# KiCad board Rogelio Pineda part 5.x2-AMLDC-2044B.kicad_pcb (continued)
## Routing (per net, layer and track width the routed paths; a pad name or vN(x,y) marks a point on that pad's centre or on a via; arc(x,y) is an arc through that point) (continued)
F3p1: length 107.5
  Top w0.15: v1(223.82,324.1) 224.06,298.35 v1(223.86,292.54)
  Bottom w0.15: 292.95,290.49 292.85,290.54 291.91,290.62 290.65,291.06 289.91,291.26 288.17,292.49 287.23,292.88 286.81,292.93 285.94,293.07 283.78,292.87 283.07,292.5 280.75,292.02 279.84,291.75 269.88,291.93 269.83,291.88 263.61,291.73 262.97,291.73 260.15,291.95 258.15,292.94 256.66,293.78 255.11,294.45 253.03,294.65 252,294.63 250.85,294.62 247.2,294.4 245.3,294.31 242.83,294.14 241.54,294.16 241.01,294.12 236.57,294.12 236.56,294.13 229.85,293.97 228.76,293.88 227.57,293.69 226.43,293.39 225.47,293.15 225.41,293.15 224.55,292.75 v1(223.86,292.54) ; UF3.1 225.44,324.22 224.5,324.2 223.95,324.1 v1(223.82,324.1)
F3p10: length 57.8
  Top w0.25: UF3.7 UF3.10
  Bottom w0.15: UF3.10 245.54,330.07 247.09,329.63 249.49,329.38 251.67,328.89 253.55,328.13 255.71,327.45 258.4,326.83 260.94,326.65 261.97,326.61 262.83,326.59 264.49,326.62 265.41,326.52 266.52,326.47 269.14,326.31 275.11,325.54 284.95,325.35 287.73,325.55 289.04,325.72 290.3,325.84 291.92,326 292.31,326.03 293.05,326.11
F4p1: length 42.6
  Top w0.15: v1(262.7,310.09) 262.89,310.71 262.98,313.37 262.58,314.96 262.17,316.48 261.98,317.25 261.81,319.01 261.79,319.64 UF4.1
  Bottom w0.15: 293.04,314.75 291.08,314.1 289.88,313.66 288.91,313.34 287.65,312.79 285.37,311.85 282.79,310.92 281.68,310.66 278.22,310.66 277.66,310.64 276.21,310.67 266.21,310.49 264.06,310.38 263.19,310.17 v1(262.7,310.09)
F4p3: length 54.5
  Top w0.15: UF4.3 266.81,320.57 267.68,319.55 268.02,319.18 268.61,318.69 269.21,318.2 270.65,317.38 271.62,316.78 271.97,316.43 272.11,315.9 272.1,314.48 271.69,314.07 UG4.12 271.15,311.16 270.34,310.32 267.85,309.22 267.36,308.88 265.82,307.94 265.35,307.44 264.78,306.88 264.07,305.68 UG4.2
  Bottom w0.15: 293,312.23 290.77,312.25 290.44,312.16 288.88,311.86 286.92,311.18 283.9,310.17 281.4,309.51 272.08,309.48 267.91,309.38 265.94,308.19 265.45,307.57 264.82,306.51 UG4.2
F4p11: length 26.4
  Top w0.15: UG4.4 269.59,306.35 270.1,307.06 270.28,307.29 270.83,308.24 271.34,309.03 272.11,309.88 272.87,311.19 272.94,313.52 272.97,313.92 273.05,317.14 273.03,318.5 272.99,322.47 272.95,323.05 272.42,324.49 271.43,326.18 270.21,327.94 269.35,328.44 UF4.11
F5p9: length 12
  Top w0.15: UF5.9 311.31,329.85 311.13,330.85 310.96,332.05 310.6,332.9 310.34,334.44 310.29,334.84 309.43,337.96 309.07,339.42 UE5.5
F5p11: length 8.1
  Top w0.15: UF5.11 305.93,327.55 305.65,326.83 305.54,326.61 305.1,325.6 304.75,324.8 304.3,323.75 303.85,322.51 303.83,322.12 UF5.3
F5p13: length 42
  Top w0.15: UH5.9 311.29,296.04 311.18,296.83 310.89,297.5 310.66,298.31 310.4,299.59 310.28,300.6 310.16,304.72 310.17,310.83 310.01,313.87 310.01,314.23 309.39,314.98 308.28,315.43 306.78,316 305.72,316.25 304.61,316.49 303.67,316.57 302.89,316.76 301.45,317.46 300.57,318.19 300.31,318.51 299.53,319.4 299.12,320.23 UF5.1 299.07,322.39 299.29,322.98 299.66,324.12 300.04,325.05 300.34,326 300.75,326.78 300.94,327.42 301.19,327.71 UF5.13
F6p11: length 8.1
  Top w0.15: UF6.11 350.9,328.24 351.1,328.04 351.27,327.77 351.53,327.16 351.78,326.24 352.05,325.37 352.41,324.2 352.74,323.16 UF6.5
F7p2: length 41.3
  Top w0.15: UF7.2 382.43,319.55 382.25,318.8 382.13,318.3 381.75,317.36 381.64,316.85 381.45,315.38 381.45,294.9 381.14,294.59 381.31,293.42 381.48,292.5 381.58,290.34 382.32,288.3 382.46,287.48 v1(382.48,286.9) 382.32,286.6 382.45,285.6 382.33,284.54 381.85,283.04 381.55,281.87 381.4,281.5 381.12,280.81 380.94,280.55 380.99,280.5 v1(380.99,280.45) 381.04,280.45 381.07,280.43
F7p3: length 34.1
  Top w0.15: UF7.3 384.91,319.78 384.45,318.89 384.17,317.66 383.89,316.65 383.89,314.07 383.91,313.76 383.94,313.26 383.91,311.28 383.78,310.86 383.5,308.37 383.28,307.25 383.08,306.29 382.52,305.14 UG7.2 383.01,302.69 383.54,301.83 384.05,301.07 384.54,300.61 384.91,300.11 385.34,299.91 386.46,299.09 387.66,298.36 389.98,297.53 390.3,297.4 392.71,296.69 393.45,296.31 394.21,295.94 394.42,295.37 395.02,294.22
G0p2: length 2.4
  Top w0.25: JP6.1 112.58,305.33 UG0.2
G0p5: length 2.4
  Top w0.25: JP3.1 120.2,305.16 UG0.5
G0p6: length 2.4
  Top w0.25: JP2.1 122.74,305.17 UG0.6
G0p8: length 73.2
  Top w0.15: v1(142,291.2) 141.76,292.38 141.31,295.78 140.78,296.99 140.66,298.55 140.94,299.97 141.22,301.4 141.62,302.92 141.83,304.43 141.89,306.08 142.04,310.63 141.95,313.23 141.9,314.81 v1(141.74,316.74) ; UH1.10 158.27,298.57 157.66,299.5 157.03,300.11 156.18,300.68 154.57,300.93 153.32,300.82 152.41,300.61 152.01,300.12 151.85,298.78 151.98,296.96 151.83,295.26 151.65,294.44 151.24,292.14 150.94,291.14 UH1.2
  Bottom w0.2: UG0.8 126.7,315.6 128.71,315.86 129.93,315.92 131.41,316.19 133.56,316.29 135.03,316.36 136.41,316.51 140.88,316.56 v1(141.74,316.74) ; UH1.10 UH1.9 ; v1(142,291.2) 142.74,290.77 144.14,290.34 145.12,289.97 146.29,289.75 UH1.1 UH1.2
G2p1: length 297.1
  Top w0.15: v1(254.45,170.18) 254.65,172.38 254.8,174.62 255,177 254.96,180.18 254.89,183.9 254.94,187.59 254.67,191.1 254.94,195.86 254.91,200.31 254.85,204.8 254.71,208.87 254.31,215.14 254.2,216.45 253.96,221.17 253.53,226.26 253.13,231.64 252.89,236.78 252.69,240.36 252.44,246.46 252.11,251.73 252.13,257.73 251.8,261.2 251.71,264.05 251.42,269.01 251.58,270.27 251.47,271.96 251.47,274.5 251.58,280.84 251.49,287.38 251.78,305.81 251.71,306.79 251.82,307.37 v1(251.78,308.41) ; UK2.13 191.81,263.19 191.97,263.35 192.35,264 192.52,264.67 192.88,265.39 192.78,267.93 191.95,268.86 189.7,269.16 188.58,270.2 UJ2.1 188.58,271.38 190.12,272.89 191.44,274.87 192.34,276.96 192.64,281.43 192.85,282.32 192.74,284.32 192.78,284.85 192.55,286.95 192.45,287.55 192.45,299.93 191.9,301.5 191.9,301.69 190.04,305 189.35,306.31 188.53,307.13 UG2.1
  Bottom w0.15: 292.89,173.4 292.81,173.4 292.56,173.4 291.6,173.26 290.9,173.09 289.72,172.85 287.53,172.48 285.1,171.86 282.52,171.34 281.78,171.14 279.99,170.99 UP4.9 278.76,168.93 278.23,168.59 276.77,168.54 275.57,168.55 260.56,168.42 259.57,168.69 257.93,169.17 256.58,169.76 255.95,170.19 254.95,170.68 254.45,170.18 v1(254.45,170.18) ; v1(251.78,308.41) 251.78,308.75 250.89,309.1 250.63,309.23 249.22,309.47 246.94,309.74 244.86,309.9 243.77,309.98 236.22,309.68 227.1,309.74 225.17,309.65 222.51,309.44 221.27,309.27 219.45,308.95 217.43,308.6 214.55,307.99 213.24,307.61 211.69,307.2 210.62,306.89 208.04,306.18 206.23,305.54 204.66,305.04 204.04,304.86 202.58,304.81 201.86,304.69 199.97,304.68 199.28,304.67 198.89,304.64 196.53,304.43 195.54,304.4 191.99,304.18 190.92,304.51 189.6,305.13 188.91,306.49 UG2.1
G2p2: length 246.1
  Top w0.15: 197.93,304.46 199.49,303.84 200.09,303.52 201.57,301.97 202.4,299.26 202.64,296.9 202.61,294.38 202.64,293.44 202.64,286.92 202.58,286.87 202.74,276.81 203.6,275.49 203.58,274.47 202.61,271.87 202.61,268.44 202.94,267.23 203.39,264.87 203.61,264.3 203.72,262.99 203.81,262.9 ; 197.93,304.46 197.23,304.59 195.78,305.19 194.84,306.02 193.61,306.75 UG2.3 UG2.2 ; 197.93,304.46 198.48,305.32 198.69,306.05 UG2.5 ; v1(251.51,311.62) 251.85,312.83 252.4,315.39 252.57,318.95 252.71,320.65 252.98,325.78 253.54,331.16 253.46,334.69 252.52,339.14 252.18,345.05 252.18,348.71 252.3,353.04 253.39,357.89 253.03,361.21 251.25,366.38 251.16,376.93 251.21,376.98 251.02,378.45 250.95,384.93 250.9,384.98 250.9,392.72 250.98,394.89 251.4,399.51 251.93,400.84 v1(252.69,401.7) ; 203.81,262.9 UK2.8 ; 203.81,262.9 203.8,263.16
  Bottom w0.15: UG2.5 199.28,308.22 199.37,308.59 199.47,308.92 200.83,309.57 202.38,309.96 203.81,309.88 209.07,309.97 210.53,309.92 212.08,310.05 215.95,310.21 217.18,310.22 218.63,310.32 220.89,310.44 221.52,310.48 222.47,310.53 225.58,310.61 228.48,310.71 236.27,310.84 238.02,310.86 240.32,310.95 243.95,311.3 244.81,311.39 249.76,311.69 v1(251.51,311.62) ; 292.74,404.46 291.62,404.6 289.08,405.02 286.19,405.47 285.65,405.59 284.42,405.71 283.5,405.53 281.08,403.94 277.43,404.55 274.96,405.52 272.16,406.13 269.99,406.37 268.54,406.29 267.04,406.22 261.1,406.13 259.77,406.07 256.44,405.84 254.98,405.39 254.46,405 253.82,404.4 253.45,403.7 253.16,402.36 252.69,401.73 v1(252.69,401.7)
G2p4: length 114.6
  Top w0.15: v1(139.4,309.11) 139.59,308.92 139.59,303.89 139.22,301.04 138.66,297.82 138.71,294.68 139.07,291.67 139.03,290.73 139.03,288.98 138.77,287.61 138.66,283.89 139.16,282.14 139.75,279.92 139.91,278.63 140.03,278.13 140.05,276.57 140.06,274.9 140.1,274.17 139.89,272.43 139.82,270.72 139.99,268.63 140.23,267.54 140.4,266.81 v1(142,264.45)
  Bottom w0.2: UK1.13 150.67,262.76 150.13,263.22 149.6,263.74 148.86,264.2 147.54,264.5 146.06,264.48 145.5,264.41 145.07,264.45 v1(142,264.45) ; v1(139.4,309.11) 140.25,308.82 141.31,308.87 145.64,309.36 149.96,309.58 151.31,309.69 152.75,309.77 158.38,309.8 164.05,309.61 166.94,309.52 168.17,309.24 169.4,308.89 174.46,307.51 178.78,307.89 180.13,308.63 182.58,309.36 186.24,309.53 188.53,309.55 190.68,309.57 194.88,309.49 196.24,308.63 UG2.4
G2p6: length 10.8
  Top w0.15: UH2.8 203.86,298.53 203.7,299.24 203.23,301 202.53,302.93 201.99,304.62 201.36,306.38 UG2.6
G2p8: length 111.8
  Top w0.15: v1(250.28,314.22) 250.45,314.7 250.73,316.59 250.74,316.95 251.02,319.57 251.12,320.59 251.4,323.8 251.51,324.96 251.6,327.58 251.65,327.63 251.65,331.81 251.66,332.85 251.46,335.42 251.41,336.15 v1(251.26,336.87)
  Bottom w0.15: UG2.8 204.94,315.25 205.7,315.1 206.95,315.09 211.9,314.6 214.15,314.38 217.68,314.06 219.52,313.62 222.54,313.16 224.09,312.8 229.47,312.12 233.16,312.11 238.93,312.28 243.19,312.91 246.39,313.42 247.84,313.73 249.31,314.01 249.93,314.22 v1(250.28,314.22) ; 292.86,334.45 291.61,334.19 290.4,334.06 288.84,333.85 284.08,333.79 282.4,333.74 275.53,333.67 272.97,333.64 268.72,334.45 266.77,334.84 264.06,335.52 261.64,336.01 258.12,336.77 254.95,337.21 253.93,337.26 252.84,337.36 252.01,337.18 251.49,336.87 v1(251.26,336.87)
G2p9: length 98.1
  Bottom w0.15: 290.54,322.2 289.52,321.7 284.98,319.61 281.76,318.83 280.7,318.47 277.65,318.22 256.76,318.56 255.15,318.68 245.34,318.96 245.3,319 224.99,319.14 222.63,319.1 205.46,319.55 204.49,319.67 201.13,319.7 200.26,319 199.9,317.97 200.65,316.62 200.83,316.29 UG2.9 ; 290.5,322.18 291.11,322.42 291.74,322.63 292.68,322.95 292.99,323.1
G2p10: length 117.9
  Top w0.15: UG2.10 198.69,316.49 198.26,316.92 198.1,317.53 197.76,318.66 197.42,320.34 197.29,328.19 197.31,333.6 v1(197.15,335.68) 197.23,335.57
  Bottom w0.15: 292.87,331.78 292.76,331.67 281.29,331.51 271.4,331.7 260.23,331.94 257.08,332.47 252.62,333.5 248.7,335 247.15,335.78 245.85,336.14 240.28,337.14 236.39,337.27 229.22,337.37 221.44,337.17 218.73,337.25 216.56,336.81 214.95,336.31 214.66,336.23 213.89,335.91 211.95,335.34 210.49,335.18 208.97,335.1 207.52,335.07 205.43,334.82 205.07,334.88 203.85,334.68 202.83,334.61 201.44,334.55 199.6,334.63 198.23,335.18 v1(197.15,335.68)
G2p13: length 4.6
  Top w0.15: 191.03,313.09 v1(190.98,313.09) 190.98,313.03 191.03,313.09 ; 191.03,313.09 191.07,313.12 UG2.13
  Bottom w0.15: UG2.13 191.07,313.18 v1(190.98,313.09)
G3p8: length 9.5
  Top w0.15: UF3.6 241.78,323.05 241.98,322.15 243.47,318.25 243.62,317.39 243.96,316.94 244.05,316.85 UG3.8
G3p9: length 18.4
  Top w0.15: UH3.8 243.19,301.31 243.01,303.32 242.83,307.24 242.72,312.9 242.7,313.25 242.4,313.86 UG3.9
G3p11: length 17.9
  Top w0.15: UF3.11 241.23,330.95 240.86,329.92 240.5,329.26 240.28,327.12 240.43,324.94 240.28,323.21 239.71,321.22 237.61,317.91 UG3.11
G3p12: length 9.1
  Top w0.15: UG3.12 234.08,319.04 234.13,320 234.13,320.65 UF3.3
G5p3: length 5.5
  Top w0.15: UG5.3 303.91,305.37 304.13,305.83 304.04,307.45 303.89,308.81 303.87,309.27 v1(303.75,309.93) 303.75,309.9
G6p1: length 18.3
  Top w0.15: UG6.1 343.19,303.73 343.74,303.17 343.99,301.38 344.24,300.29 344.5,299.64 344.73,297.66 344.72,296.69 344.72,295.53 344.62,294.38 344.68,293.52 344.83,292.84 344.7,292.12 344.53,291.34 344.42,290.73 344.27,289.99 344.1,289.29 343.82,288.37 UH6.1
G6p2: length 57.8
  Top w0.15: 348.52,282.62 349.52,284.38 349.59,301.12 349.74,306.26 349.35,307.78 348.78,308.46 348.02,308.65 347.76,308.66 347.23,308.64 346.81,308.4 346.44,307.75 345.98,306.77 345.82,305.87 345.73,305.78 UG6.2 ; 348.52,282.62 348.76,281.69 349,281.28 349.67,280.42 350.23,279.79 350.23,279.56 350.5,278.95 UJ6.11 350.8,277.31 351.59,276.83 351.94,276.54 352.42,276.02 352.84,275.7 353.28,275.45 353.7,274.89 353.94,274.55 354.19,274.16 354.47,273.64 354.47,265.52 354.14,265.19 v1(354.07,265.19) 354.07,265.13 354.11,265.16 ; 348.52,282.62 348.15,282.61 347.95,283.08 347.32,283.85 346.52,285.17 UH6.2
G6p3: length 10.5
  Top w0.15: UG6.3 348.27,303.77 348.76,302.87 348.87,296.36 348.26,295.75 UH6.12
G6p6: length 10.2
  Top w0.15: UH6.9 355.61,295.51 355.74,302.65 355.74,303.39 355.89,303.54 UG6.6
G6p12: length 16
  Top w0.15: 353.27,297.67 353.24,297.7 v1(353.24,297.73) 353.21,297.73 353.24,298.31 352.95,298.85 352.7,299.64 352.26,301.13 352.23,302.24 352.2,303.29 351.93,306.99 351.92,307.29 351.34,308.34 351.04,308.8 350.6,309.53 349.65,310.68 349.3,311.15 UG6.12
G6p13: length 15.3
  Top w0.15: UG6.13 345.62,311.06 345.53,310.63 345.07,309.29 344.74,308.31 344.74,305.46 344.58,305.3 344.74,302.79 344.72,302.03 344.95,301.07 345.13,300.52 345.5,299.51 345.83,298.85 v1(346.79,297.79) 346.69,297.83
G7p6: length 6.5
  Top w0.15: 392.92,300.77 393.21,299.64 393.18,299.13 393.32,298.4 393.3,298.38 ; 392.99,300.44 392.68,301.9 UG7.6 ; 393.3,298.38 393.25,298.32 v1(393.3,298.32) 393.3,298.38
G7p10: length 14.7
  Top w0.15: UG7.10 389.93,312.78 389.71,313.36 389.11,313.94 388.7,314.46 388.54,314.7 387.51,316.47 387.03,317.25 386.77,317.79 386.47,318.79 386.45,319.3 386.45,325.38 v1(386.42,325.42) 386.45,325.45 386.45,325.53
G8p9: length 13.5
  Top w0.15: UG8.9 428.4,312.98 427.59,313.91 427.59,313.96 426.88,314.47 426,314.84 425.31,315.07 423.92,315.22 422.48,315.22 421.86,315.1 420.68,314.77 419.88,314.26 419.27,313.5 419.15,313.26 UG8.13
G8p10: length 11.1
  Top w0.15: 427.44,308.9 427.17,309.57 UG8.10 ; 427.68,300.96 427.68,301.13 v1(427.66,301.16) 427.61,308.12 427.42,308.99
H0p4: length 47
  Top w0.15: UJ1.11 155.79,279.74 155.54,280.61 155.52,281.28 155.21,282.14 155,283.81 154.73,285.01 154.45,285.75 154.45,286.17 v1(154.49,286.2) 154.45,286.24 154.45,286.26
  Bottom w0.2: UH0.4 118.05,288.4 118.2,288.28 119.07,287.53 120.33,287.08 122.78,286.55 125.29,286.03 127.71,286 129.99,286.56 132.33,286.87 133.8,286.73 135.31,286.43 136.5,286.09 137.39,285.88 138.53,285.52 139.91,285.46 140.77,285.92 143.98,286.92 146.66,287 151.42,286.77 152.49,286.57 153.08,286.42 153.63,286.24 v1(154.49,286.2)
H0p5: length 43.6
  Bottom w0.2: UH0.5 120.93,290.79 122.46,291.86 126.46,292.09 129.22,292.18 134.22,292.11 136.65,292.25 141.65,293.13 147.39,293.16 153.23,292.83 158.58,292.37 159.96,291.49 160.77,290.67 160.52,289.98 UH1.6
H0p6: length 50
  Top w0.15: v1(142.27,271.47) 142.42,273.8 142.21,279.91 141.81,281.2 141.14,282.9 140.71,284.71 140.87,285.63 141.6,287.9 v1(142.07,288.72)
  Bottom w0.2: 150.48,268.88 150.5,268.88 ; 150.48,268.88 150.72,269.31 UJ1.2 ; 150.48,268.88 150.27,268.58 149.93,268.16 148.85,267.74 148.21,267.74 146.6,268.22 144.21,269.22 142.86,270.63 v1(142.27,271.47) ; v1(142.07,288.72) 140.84,288.48 139.47,288.35 138.74,288.27 136.23,288.05 134.52,287.97 132.04,287.91 130.38,287.68 128.24,287.23 127.05,287.06 125,287.08 123.96,287.51 UH0.6
H0p8: length 3
  Top w0.25: UH0.8 125.23,299.95 JP1.2
H0p10: length 3
  Top w0.25: JP3.2 120.15,299.87 UH0.10
H0p12: length 3
  Top w0.25: JP5.2 115.27,299.99 115.27,298.91 UH0.12
H1p5: length 13
  Top w0.15: UJ1.8 163.33,279.56 161.36,281.79 160.73,283.13 160.35,283.8 159.57,285.14 158.6,287.61 UH1.5
H1p11: length 190.4
  Top w0.15: 172.53,293.52 172.17,289.6 171.66,287.07 171.41,282.02 171.51,279.2 171.68,268.9 171.49,265.61 v1(172.18,263.16) ; 172.52,293.31 172.58,294.78 172.41,297.24 v1(172.14,300.03) ; UH1.11 UH1.4
  Bottom w0.2: 292.93,263.11 292.78,262.96 283.81,263.08 282.84,263.21 282.18,263.48 279.24,264.32 277.8,264.92 275.41,266 273.27,266.51 272.07,266.79 266.07,266.9 265.61,266.9 261.35,266.67 260.01,266.44 257.64,265.68 256.81,265.08 254.3,263.5 253.08,262.51 251.88,261.7 250.24,260.96 250.03,260.77 248.65,260.26 246.89,259.58 245.61,259.17 245.32,259.02 244.43,259.01 243.8,259 242.71,259 241.44,259.31 239.58,259.47 237.43,259.69 235.26,259.52 233.87,259.42 230.2,259.34 225.08,259.67 222.75,260.48 219.76,261.79 218.04,262.44 214.92,263.62 212.12,264.53 208.81,265.47 205.58,266.39 203.48,266.59 196.52,266.51 194.41,266.15 190.06,265.53 188.68,265.05 185.23,264.43 183.85,264.06 178.55,263.76 177.77,263.77 177.56,263.74 175.41,263.71 173.85,263.36 172.22,263.11 v1(172.18,263.16) ; 169.43,300.05 169.45,300.03 v1(172.14,300.03) ; UH1.11 155.71,298.24 156.74,299.47 157.11,299.77 157.56,300.03 158.07,300.21 160.14,300.21 170.14,300.03 168.47,300.02
H1p12: length 143.2
  Bottom w0.2: UH1.12 153.71,296.48 154.99,295.3 156.92,295.2 157.93,295.24 159.98,295.1 163.51,294.97 165.06,294.42 169.61,291.8 173.22,291.86 174.49,291.94 175.83,292.19 180.49,292.79 183.17,293.2 185.33,292.71 189.35,292.34 193.47,292.42 197.01,292.48 201.09,292.73 203.91,292.69 211.62,292.36 215.88,292.13 216.66,292.09 219.3,292.19 223.09,294.46 225.91,295.05 229.15,295.32 233.04,295.22 236.93,295.28 238.17,295.2 246.74,295.71 248.92,295.86 255.31,295.57 260.46,293.26 266.35,293.01 269.13,293.01 270.84,293.08 279.85,292.95 284.05,293.72 286.09,294.21 289.77,293.06 290.35,292.73 292.74,292.23
H1p13: length 67.9
  Top w0.15: v1(182.24,279.84) 182.24,291.01 v1(182.17,291.08)
  Bottom w0.2: v1(182.17,291.08) 182.04,291.08 181.45,291.05 179.88,291.21 177.33,290.99 172.85,290.83 168.96,290.88 166.31,292.09 163.85,293.08 162,293.73 157.75,293.98 157.51,293.9 156.48,293.96 153.82,294.15 151.77,295.8 151.29,296.45 UH1.13 ; UJ2.8 203.82,279.44 202.65,280.08 201.94,280.28 201.74,280.37 193.96,280.46 190.2,280.5 186.13,280.33 184.33,280.05 v1(182.24,279.84)
H2p1: length 118.4
  Top w0.15: 188.58,284.93 188.58,284.94 v1(188.63,284.99) 188.58,285.03 UH2.1
  Bottom w0.15: v1(188.63,284.99) 188.63,284.82 189.89,283.49 190.3,283.12 190.71,282.8 191.94,282 193.67,281.55 195.01,281.56 202.23,281.65 202.42,281.67 203.8,281.62 205.58,281.38 206.79,281.01 207.8,280.57 208.79,279.93 210.09,278.94 211.16,278.09 211.67,277.59 212.14,277.27 214.89,274.51 215.08,274.43 215.57,273.98 219.38,270.13 220.38,269.18 221.01,268.71 222.92,267.07 227.39,264.42 229.82,263.81 231.16,263.73 232.8,263.79 233.63,263.82 235.69,263.99 236.81,264.15 239.23,264.37 240,264.56 241.26,264.81 244.27,265.78 245.58,266.45 246.84,267.42 247.75,268.01 249.05,268.83 249.98,269.36 251.16,269.88 253.4,270.5 255.26,270.88 257.75,271.28 258.22,271.38 260.39,271.58 262.68,271.78 263.93,271.81 268.17,271.97 269.37,271.96 270.52,271.87 272.34,271.61 274.04,271.43 276.51,271.04 277.94,270.87 280.78,270.23 282.5,269.92 283.99,269.51 285.95,268.96 288.24,268.44 290.35,268.08 292.67,268.14 292.88,268.16
H2p4: length 187.7
  Top w0.15: v1(215.6,365.12) 215.88,364.84 215.88,364.11 215.89,361.58 215.74,347.11 215.79,346.39 215.78,343.58 215.81,336.76 215.7,327.5 215.7,315.85 215.71,315.73 215.81,301.66 215.9,300.29 215.75,296.42 215.78,295.05 215.92,291.8 v1(216.39,290.07) ; UC4.5 271.35,374.51 270.9,373.42 270.39,371.96 269.77,370.4 269.45,369.17 UD4.11
  Bottom w0.15: UH2.4 196.63,290.49 197.18,291.08 197.64,291.35 198.75,291.71 199.61,291.65 ; 199.61,291.65 201.11,291.74 202.39,291.75 204.05,291.76 207.48,291.6 209.39,291.05 212.19,290.29 213.59,290.05 214.4,289.95 215.2,289.96 215.68,289.96 v1(216.39,290.07) ; 199.61,291.65 199.69,291.65 ; v1(215.6,365.12) 216.37,365.12 216.54,365.1 216.95,365.06 219.07,365.03 222.21,366.03 224.75,366.66 225.81,366.89 249.21,366.97 250.66,367.42 252.09,367.8 254.02,368.72 256.26,369.78 258.35,370.97 260.69,371.74 261.5,371.96 263.53,372.28 264.72,372.3 265.99,371.9 268.02,369.97 268.73,369.03 268.89,368.56 UD4.11 269.71,366.41 269.96,366.29 270.53,365.89 271.18,365.57 272.45,365.46 273.22,365.47 277.37,365.53 279.71,365.71 282.75,366.04 283.87,366.25 286.48,366.64 287.84,366.88 288.68,366.9 292.62,367.03
H2p9: length 298.3
  Top w0.15: 170.09,184.77 169.52,181.04 169.47,179.7 169.32,178.26 ; 170.05,184.48 170.8,187.78 171.27,190.19 171.66,193.16 171.71,196.98 171.33,200.12 170.58,202.15 169.64,204.13 169.24,205.71 169.11,208.54 169.11,210.11 168.99,229.65 169.06,229.71 169.06,239.05 169.11,239.4 168.96,260.26 168.93,260.29 168.82,284.04 168.83,285.46 168.79,287.05 169.14,290.95 169.3,291.75 v1(169.61,293.65) 169.44,294.66 168.89,298.04 168.87,307.69 ; v1(168.53,110.16) 168.53,110.81 169.32,112.16 169.76,113.4 170.06,114.67 169.87,117.57 169.78,118.21 169.59,120.17 170.41,123.32 170.83,124.12 171.11,124.69 171.42,125.53 171.81,127.17 171.9,133.23 171.87,136.31 171.66,144.19 171.61,146.25 171.65,153.61 171.21,155.61 170.91,156.31 169.85,159.49 169.55,160.59 169.09,163.23 169.15,168.07 169.12,169.44 169.15,173.38 169.27,176.56 169.36,178.47 ; 168.87,307.36 168.67,322.38 168.84,331.67 168.93,346.07 168.93,347.48 169.02,352.39 169.02,354.71 169.92,356.81 170.12,357.28 v1(170.62,358.58)
  Bottom w0.15: UH2.9 201.28,296.56 200.49,295.33 199.57,294.72 198.52,294.39 196.48,294.15 194.82,294.22 181.67,294.04 179.98,294.06 175.54,293.75 174.26,293.61 171.46,293.4 170.89,293.4 170.66,293.46 170.14,293.65 v1(169.61,293.65) ; v1(170.62,358.58) 169.8,358.5 168.04,359.08 167.45,359.96 167.1,360.56 166.66,361.26 166.15,362.31 164.99,363.68 164.49,364.09 163.4,364.27 162.84,364.15 162.03,363.77 UD1.6
H2p12: length 127.2
  Top w0.15: UH2.5 198.38,291 197.71,291.84 197.27,292.57 196.51,293.59 ; 237.78,300.66 v1(237.78,300.62) 237.82,300.62 237.66,295.26 237.59,294.72 237.41,292.87 237.05,291.52 UH3.4 ; 196.51,293.59 195.9,293.59 194.18,291.71 UH2.3 ; 196.51,293.59 196.17,294.07 195.19,295.43 193.66,297.21 UH2.12
  Bottom w0.15: 292.79,300.02 291.74,300.05 270.24,299.98 266.67,299.95 260.12,299.95 257.28,299.85 251.36,300.06 248.38,300.31 242.73,300.54 241.56,300.57 239.41,300.71 238.83,300.72 238.2,300.82 v1(237.78,300.62) 237,300.96 236.3,301.1 234.39,301.61 231.22,302.28 227.55,302.4 227.06,302.41 226.81,302.41 218.46,302.36 217.6,302.31 211.89,302.07 210.55,301.93 206.01,301.35 204.56,301.2 201.69,300.97 200.33,300.7 196.1,300.23 194.94,299.69 194.19,299.07 193.89,298.62 UH2.12
H2p13: length 104.6
  Bottom w0.15: UH2.13 191.58,297.67 191.92,299.18 193.5,300.34 194.88,301.02 195.82,301.36 ; 195.82,301.36 196.6,301.76 197.95,302.19 200.64,302.73 201.76,303.07 203.88,303.3 205.05,303.43 206.23,303.56 206.75,303.62 207.51,303.64 211.4,303.79 211.42,303.76 211.51,303.85 215.93,304.11 217.91,304.22 219.3,304.31 224.03,304.59 236.42,305 238.65,305.02 240.13,304.96 240.68,304.98 242.81,304.86 244.06,304.85 245.94,304.81 246.25,304.77 247.83,304.71 250.43,304.5 253.1,304.16 254.32,304.02 255.59,303.87 258.79,303.13 261.57,302.31 263.95,301.9 269.11,301.42 269.98,301.36 270.4,301.29 274.35,300.93 289.45,300.94 292.95,301.17 ; 195.82,301.36 195.83,301.38
H3p2: length 107.3
  Top w0.15: v1(286.5,327.83) 286.3,326.31 286.39,317.97 286.66,300.5 286.12,297.01 285.87,295.16 286.44,291.68 v1(286.44,290.99)
  Bottom w0.15: UH3.2 232.12,290.97 232.36,291.29 233.2,292.17 233.85,292.64 234.42,292.86 235,292.98 249.52,292.91 251.75,293.34 253.04,293.41 254.75,293.42 255.89,292.97 257.3,292.03 258.64,291.36 260.12,290.78 262.11,290.6 263.54,290.59 266.13,290.65 281.65,290.97 285.88,291.17 286.2,290.99 v1(286.44,290.99) ; v1(286.5,327.83) 286.21,328.12 284.59,328.2 282.35,328.12 279.51,327.65 278.43,327.4 275.97,327.42 275.1,328.23 UF4.9
H3p3: length 103.4
  Top w0.15: 255.36,346.2 255.38,346.06 ; 255.38,346.06 255.55,345.17 255.87,336.06 255.86,335.25 255.82,332.87 255.84,328.62 255.58,325 255.65,324.57 255.25,321.54 254.82,318.21 254.48,314.02 253.95,307.73 253.82,302.97 253.88,302.28 254.03,297.82 254.15,296.82 254.54,294.56 254.78,293.06 v1(255.29,291.17) ; 255.38,346.06 255.32,346.34 v1(255.29,347.17)
  Bottom w0.15: v1(255.29,291.17) 254.78,291.17 254.44,291.26 253.47,291.28 249.29,291.54 245.36,291.99 240.12,291.97 238.31,292 237.15,292.07 235.6,291.97 235.02,291.48 234.41,290.36 UH3.3 ; UE4.8 276.15,349.15 274.8,349.15 274.38,348.73 UE4.9 273.51,346.99 272.9,346.27 271.36,345.64 264.48,345.33 262.9,345.27 261.72,345.3 258.98,345.4 257.7,345.85 257.22,346.01 256.14,346.73 v1(255.29,347.17)
H3p5: length 60.7
  Top w0.15: 238.87,283.2 v1(238.87,283.39) 238.87,288.1 239.17,288.41 UH3.5
  Bottom w0.15: v1(238.87,283.39) 240.17,283.39 240.72,283.3 241.57,283.37 243.78,283.4 248.39,282.85 250.92,282.55 254.47,282.16 256.11,281.93 259.37,281.58 262.8,281.47 264.1,281.27 265.98,281.22 267.54,280.99 272.47,280.74 274.19,280.64 274.84,280.68 278.91,280.55 281.62,280.45 284.03,280.35 288.68,279.66 291.4,279.16 292.15,278.94 292.81,278.93
H3p9: length 7.6
  Top w0.15: UH3.9 241.57,295.47 241.55,292.56 UH3.6
H3p11: length 3.5
  Bottom w0.15: UH3.10 238.48,297.88 238.31,298.04 238.05,298.1 237.11,298.1 236.63,297.62 UH3.11
H4p2: length 16.6
  Bottom w0.15: UH4.2 264.33,288.13 264.07,288.85 263.33,289.19 262.73,289.43 258.2,289.34 253.63,289.17 251.64,288.99 R48.1
H4p4: length 41.5
  Top w0.15: v1(289.07,288.37) 289.29,290.25 289.48,292.19 289.85,294.08 290.15,298.4 290.11,300.55 290.15,304.05 290.08,304.92 v1(290.09,305.25)
  Bottom w0.15: v1(289.07,288.37) 289.07,288.44 287.83,288.66 285.75,288.87 282.42,289.5 276.55,289.69 272.31,289.69 270.64,289.26 269.96,288.73 269.46,288.17 UH4.4 ; 292.66,306.97 291.97,306.54 291.41,306.22 290.83,305.73 v1(290.09,305.25)
H4p6: length 6.3
  Top w0.15: C11.1 271.44,283.19 271.83,283.63 272.08,284.1 272.76,284.94 273.06,285.44 274.23,286.81 UH4.6
H4p7: length 7
  Top w0.15: R67.1 276.86,282.15 C11.2 276.97,282.27 276.97,284.22 276.89,284.41 276.81,284.99 276.82,285.67 UH4.7
H4p10: length 18.2
  Bottom w0.15: UH4.10 277.42,296.49 278.63,297.19 279.95,297.28 281.27,297.16 284.47,296.2 287,295.03 289.49,294.11 291.38,293.8 292.86,293.56
H4p12: length 42.9
  Top w0.15: UG4.10 276.77,311.78 276.2,311.3 275.99,310.85 275.65,310.18 275.53,309.79 275.43,309.23 275.4,307.9 275.34,303.97 275.42,302.55 275.42,302.19 275.22,300.58 274.81,299.68 274.32,298.86 273.66,297.85 272.79,296.84 271.69,295.65 UH4.12
  Bottom w0.15: UH4.12 271.69,295.55 272.07,296.18 272.28,296.58 272.74,297.21 273.19,297.57 273.66,297.93 273.96,298.18 274.44,298.49 275.62,299.03 292.7,299.03
H4p14: length 5.5
  Top w0.15: UH4.14 266.61,296.14 266.79,296.74 267.34,297.34 268.46,297.72 C56.2
H4p15: length 9.6
  Bottom w0.15: R47.2 258.88,297.94 260.61,297.99 261.37,298.02 262.68,297.9 C56.1 264.07,296.99 UH4.15
H5p5: length 4.9
  Top w0.15: 308.74,282.1 308.74,282.14 v1(308.8,282.2) 308.74,282.27 308.74,285.65 308.74,285.76 308.77,286.05 UH5.5
H5p6: length 13.9
  Top w0.15: 298.79,289.5 v1(298.82,289.59) 305.26,289.69 306.79,289.74 307.29,289.74 308.25,289.65 309.11,289.4 309.81,289 310.47,288.57 310.93,287.87 UH5.6
H5p12: length 5.3
  Top w0.15: 303.86,299.73 303.86,299.68 v1(303.83,299.65) 303.86,299.63 303.86,297.53 ; UH5.12 303.72,295.55 303.69,295.94 303.86,297.57
H6p13: length 5.5
  Top w0.15: UH6.13 346.28,293.4 346.56,292.23 346.73,290.21 346.91,290.04 346.91,289.48 v1(346.87,289.44) 346.91,289.4 346.91,289.26 346.93,289.24
H7p3: length 10.4
  Top w0.15: 384.86,286.6 385.08,286.38 385.34,285.45 385.59,284.84 385.64,284.84 385.78,284.43 386.76,283.04 386.8,282.9 386.89,282.77 387.22,282.46 387.72,281.93 387.9,281.58 388.23,281.21 389.21,279.77 389.74,278.9 UJ7.12
H7p12: length 9.2
  Top w0.15: 384.86,294.22 386.02,292.49 ; 389.94,286.6 389.53,287.49 389.36,287.82 389.19,288.34 388.69,289.15 387.76,290.26 387.44,290.73 387.03,291.27 386.04,292.49
INTA: length 66.4
  Top w0.15: v1(82.15,331.87) 82.47,331.87 84.07,334.47 84.97,337.92 86.35,342.63 87.76,346.2 88.17,347.04 90.7,350.74 90.93,350.74 v1(91.07,350.87)
  Top w0.25: R53.2 111.51,339.97 113.44,340.8 114.43,341.36 115.02,341.96 UE0.3
  Bottom w0.15: v1(91.07,350.87) 90.9,349.98 90.48,348.75 90.36,348.14 90.05,344.35 90.11,341.98 90.34,340.19 90.68,339.18 91.26,338.61 91.84,338.34 92.84,338.09 93.69,338.04 94.32,337.94 94.99,337.93 95.67,337.91 99.02,338.19 99.61,338.24 100.19,338.24 100.76,338.32 104.03,338.73 108.72,339.22 R53.2 ; J1.40 81.06,331.69 v1(82.15,331.87)
IO PLS: length 96.7
  Bottom w0.15: J1.74 80.74,277.07 84.29,278.82 86.61,280.36 87.61,281.79 88.14,283.48 88.34,285.56 88.29,287.74 88.37,288.36 88.24,289.38 87.77,292.6 88.26,294.66 88.45,295.51 88.36,296.78 88.04,297.63 87.66,300.89 88.57,305.74 88.35,307.19 88.14,308.55 88.34,314.07 88.87,316.44 89.55,318.42 90.13,320.62 90.22,329.43 89.83,334.2 89.94,335.23 90.47,336 91.41,336.51 92.19,336.72 93.27,336.95 97.55,337.05 100.26,337.05 107.46,337.01 R33.2 110.78,336.75 111.93,337.92 112.28,339.04 112.41,339.79 112.08,340.52 111.74,340.94 110.99,341.9 UE0.1
IO RST: length 192.2
  Top w0.25: 157.94,402.99 158.25,404.84 157.15,406.17 156.27,406.46 155.25,406.57 153.91,406.61 R77.1
  Bottom w0.15: R77.1 147.19,405.71 145.2,405.28 139.61,404.85 136.55,404.46 133.11,403.31 130.51,402.6 126.21,401.98 125.04,401.99 120.35,402.8 116.37,403.59 113.58,403.6 108.97,402.45 104.19,400.49 101.82,399.44 97.61,397.35 95.3,395.64 93.55,394.13 92.37,392.66 90.83,390.76 90.35,390.01 89.64,387.39 89.46,384.57 89.37,382.7 89.97,373.8 90.67,370.01 90.65,367.86 90.71,364.14 90.48,361.71 89.54,357.23 89.41,350.9 89.13,338.27 89.07,326.91 88.96,322.28 87.96,317.74 87.47,315.18 87.56,313.45 87.21,308.1 87.51,305.29 87.21,303.02 86.83,301.61 86.67,298.85 87.17,297.55 87.42,295.05 86.93,292.55 86.98,289.56 87.3,287.76 87.17,286.97 86.93,286.03 86.34,285.14 84.69,284.2 83.24,283.93 81.13,283.65 80.17,283.57 J1.70
J0p2: length 51
  Bottom w0.2: 112.48,270.61 113.92,272.24 115.12,273.07 116.43,273.47 126.44,273.51 128.24,273.56 129.55,273.6 132.18,273.81 135.91,274.15 144.32,274.19 153.04,273.82 157.82,273.72 159.7,272.55 UJ1.6
J0p4: length 259.9
  Top w0.15: 151.94,119.31 152.29,119.08 153.12,118.12 UT1.12 153.09,116.06 153.37,115.74 152.44,113.36 152.26,112.53 151.9,111.44 151.47,110.27 151.01,109.53 UT1.2 ; 151.94,119.31 150.47,120.31 149.59,120.91 149.04,121.27 148.09,122.11 147.69,122.53 147.15,123.29 146.84,124.21 146.81,125.41 146.84,125.44 146.84,137.16 146.91,137.23 146.86,154.25 147.37,155.62 147.9,156.48 148.13,156.96 148.78,158.02 149.52,159.26 149.9,159.99 UP1.2 151.21,163.96 151.54,164.95 152.05,166.57 152.43,167.45 UP1.12 153.99,168.26 154.42,166.85 155.08,164.95 ; 151.94,119.31 152.23,119.01 ; v1(175.14,165.74) 174.78,186.4 174.99,193.38 174.87,200.22 174.99,205.08 175.2,214.84 175.39,236.46 175.49,244.5 175.75,268.06 v1(175.82,268.7) ; 155.08,164.95 155.28,164.47 155.36,163.99 ; 155.08,164.95 162.04,164.95 v1(162.06,164.98) 162.09,164.95 162.21,164.95 ; 155.35,164.06 UP1.4
  Bottom w0.2: v1(162.06,164.98) 162.27,164.98 163.21,164.83 164.21,164.9 164.72,164.9 165.71,164.97 167.36,165.11 168.25,165.15 169.9,165.29 171.05,165.25 172.94,165.11 174.65,165.26 v1(175.14,165.74) ; v1(175.82,268.7) 175.53,268.45 175.05,268.26 173.97,267.93 172.97,267.58 168.51,267.32 162.66,267.45 160.99,267.77 159.43,268.63 158.55,269.46 UJ1.5 157.1,272.37 155.61,272.79 153.87,272.85 149.06,272.87 147.75,272.87 135.74,273.11 129.39,272.3 124.25,272.51 122.56,272.61 121.27,271.92 121.04,271.69 UJ0.5 117.56,270.61
J0p9: length 103.4
  Top w0.15: v1(158.66,266.87) 159.8,267.39 160.64,267.93 161.05,268.35 161.68,269.14 162.02,270.32 162.03,272.09 162.08,273.28 v1(162.16,276.43) ; UJ2.12 195.15,276.44 196.25,274.77 196.9,273.71 197.1,273.27 197.75,272.38 198.39,271.52 UJ2.5 198.37,271.59
  Bottom w0.2: v1(158.66,266.87) 157.74,266.87 156.13,266.14 155.65,265.75 155.25,265.33 154.1,263.73 153.77,263.26 153.46,262.63 UK1.12 ; UJ2.12 193,277.25 192.85,276.78 191.89,276.07 190.78,275.51 189.51,275.25 188.03,275.13 185.1,274.89 183.76,274.93 179.96,275.04 178.18,275.08 177.96,275.12 174.99,275.24 174.13,275.33 169.42,275.44 163.73,275.59 162.85,275.81 v1(162.16,276.43) 162.16,275.92 161.5,275.72 161.05,275.73 159.55,275.8 157.68,275.93 155.19,276.01 154.72,276.04 152.49,276.13 150.39,276.31 145.4,276.5 139.71,276.64 139.1,276.66 134.59,276.54 129.66,276.05 128.84,276.04 125.96,276.01 124.66,276.46 122.64,278.23
J0p10: length 53.7
  Top w0.15: UH1.3 152.63,286.93 152.49,285.82 152.15,284.25 151.89,283.39 v1(151.81,282.24) 151.89,282.2 152,282.09
  Top w0.25: 120.28,282.88 120.31,282.91 v1(120.31,282.85) 120.25,282.85 120.34,281.63 UJ0.10 119.5,276.78 118.2,276.28 117.35,276.25 115.86,276.22 114.79,276.28 113.84,276.71 112.99,277.3 112.48,278.23
  Bottom w0.2: v1(151.81,282.24) 150.81,282.24 150.16,282.3 149.66,282.27 149.04,282.25 148.08,282.25 126.42,282.49 124.47,282.54 120.8,282.58 v1(120.31,282.85)
J1p1: length 191.2
  Top w0.15: 196.7,236.87 196.57,234.19 196.37,231.81 196.27,231.28 UL2.11 ; 200.03,246.01 v1(200,246.11) 198.26,244.38 198.26,244.28 196.99,241.73 196.69,236.67 ; UJ1.1 148.44,269.49 148.76,268.43 148.99,267.52 149.09,266.46 149.35,261.81 149.29,260.92 149.39,259.6 149.46,259.42 149.3,258.86 149.35,257.42 148.97,256.12 UK1.1 148.17,252.33 148.27,251.66 148.44,250.74 148.89,248.46 149.17,247.32 149.5,245.4 149.55,245.36 v1(149.59,245.36) 149.59,245.31
  Bottom w0.2: 292.89,252.3 291.66,252.08 290.46,251.7 289.06,251.11 286.81,251.04 285.68,251.07 284.13,251.58 282.24,252.13 280.05,252.9 277.32,253.66 273.98,254.7 270.17,255.76 269.13,256.08 266.56,256.26 263.8,255.81 261.94,254.87 259.83,254.16 257.88,253.29 256.13,252.45 253.16,251.12 250.74,250.1 248.51,249.19 241.09,249.04 237.54,249 236.01,248.95 228.16,249.06 228.13,249.09 223.57,248.92 217.72,248.24 215.39,247.61 213.52,247.42 204.9,247.14 203.79,247.09 202.18,246.83 201.03,246.27 v1(200,246.11) 199.33,245.56 198.54,245.57 197.74,245.54 197.47,245.51 196.74,245.51 194.57,246.18 191.39,246.85 190.22,246.92 187.97,247 185.18,246.74 184.1,246.76 177.61,246.59 174.76,246.45 172.88,246.39 170.02,246.25 162.42,246.39 156.12,246.04 152.2,245.67 150.99,245.53 v1(149.59,245.36)
J1p12: length 239.7
  Top w0.15: v1(175.9,71.59) 175.33,71.59 175,71.92 175.22,88.52 175.18,93.18 175.2,93.69 175.48,98 175.15,100.02 174.17,103.34 174.34,104.91 174.47,105.78 174.93,110.67 174.98,111.74 175.55,117.29 175.71,119.13 176.09,125.94 176.06,154.15 ; 176.05,206.27 175.99,204.88 175.93,204.27 175.85,203.14 175.93,200.85 176.03,199.2 176.05,198.77 175.89,187.77 175.97,185.14 175.87,179.04 175.86,177.48 175.86,173.04 175.87,172.51 176.02,170.37 176.09,170.18 176.33,167.71 176.54,166.91 176.46,163.02 176.31,161.51 176.06,153.73 ; v1(182.41,277.24) 182.04,275.71 181.73,274.6 181.65,273.89 181.51,272.02 181.51,269.11 181.47,269.07 181.21,220.45 180.94,219.11 180.3,217.29 179.45,215.24 178.6,213.25 177.57,210.64 175.98,206.03
  Bottom w0.2: v1(182.41,277.24) 181.83,277.04 180.55,277.02 175.43,277.64 172.89,278.34 170.04,279.4 165.71,280.88 156.14,280.96 154.68,280.35 154.12,280.03 153.41,279.2 UJ1.12
J1p13: length 817.5
  Top w0.15: 281.45,246.64 281.76,237.8 282.31,233.26 283.05,226.74 ; 202.51,244.69 v1(202.45,244.79) 202.59,258.72 202.5,259.6 202.28,260.47 UK2.9 201.43,261.45 ; 154.75,337.65 v1(154.71,337.61) 154.79,336.1 155.18,334.55 155.46,332.89 UF1.11 ; 282.49,271.61 283.49,274.42 283.92,277.32 ; 152.07,269.23 152.08,271 152,271.08 151.73,274.98 151.11,277.07 UJ1.13 ; 212.97,348.67 213.02,348.37 213.02,351.82 212.42,359.51 212.32,362.82 212.32,364.77 212.51,368.13 212.6,369.52 212.67,370.63 212.9,371.7 213.02,375.1 213,376.54 213.04,380.36 212.9,382.01 212.79,384.58 212.72,387.75 212.81,391.18 212.88,391.25 212.93,394.47 213.02,395.44 213.32,398.73 v1(213.48,399.44) ; 281.45,246.24 281.45,248.22 281.48,248.25 v1(281.48,250.33) 281.43,251.45 v1(281.65,268.24) 282.53,271.73 ; UM4.13 263.89,212.2 264.38,215.31 264.65,216.75 264.85,218 265.29,219.85 265.62,222.03 265.77,223.03 265.67,224.63 265.3,226.21 265.3,231.85 265.2,232.92 265.1,233.52 264.74,234.6 UL4.13 263.91,253.29 263.91,253.29 v1(263.91,253.43) 263.77,253.43 263.7,253.5 ; UM1.13 150.73,213.74 150.73,213.75 150.13,215.35 149.7,218.65 149.78,220.2 149.66,220.33 149.66,221.89 149.81,222.04 149.72,222.12 149.72,225.05 150.05,226.27 UL1.13 150.73,230.12 154.98,234.86 155.23,239.63 154.98,240.66 155.15,240.93 154.2,243.13 153.36,244.02 v1(153.3,244.08) 153.36,244.13 153.36,244.27 151.13,247.44 150.56,248.55 149.53,250.83 149.29,254.54 150.35,256.85 151.27,258.53 151.92,260.29 152.09,263.06 152.11,263.08 151.97,267.77 152.08,269.48 ; 213.02,348.44 212.72,346.44 212.32,344.68 211.79,340.33 v1(211.77,338.31) 211.81,338.26 211.81,323.74 211.7,302.59 211.65,301.66 211.61,297.42 211.42,295.68 211.58,266.49 211.56,265.27 211.67,257.53 v1(212.05,244.82) ; 283.91,277.24 284.07,279.3 284.12,281.73 284.12,287.15 284.22,288.7 284.39,293.51 284.46,295.08 284.51,296.46 284.67,296.62 v1(284.67,297.21) ; v1(175.97,399.29) 175.97,402.99 v1(176,403.03) ; 289.38,43.92 289.35,43.92 v1(289.3,43.87) 289.25,43.92 288.12,44.12 287.64,44.45 286.73,45.63 286.14,48.4 v1(284.21,99.65) 284.12,100.63 284.34,102.43 284.85,106.11 285.01,118.72 284.43,172.03 284.48,172.56 284.48,183.09 284.58,184.73 284.55,189.85 284.58,192.25 284.55,204.87 284.42,205.56 284.02,212.87 283.7,215.99 283.7,221.19 283.11,225.59 283.05,226.9
  Bottom w0.2: 157.44,337.3 155.5,337.11 v1(154.71,337.61) ; v1(175.97,399.29) 176.82,399.52 177.09,399.69 177.97,399.94 ; 163.02,402.99 163.87,402.99 164.48,402.79 165.61,402.49 167.6,402.39 168.46,402.36 168.88,402.39 170.47,402.81 172.99,403.66 175.46,403.57 v1(176,403.03) ; v1(284.67,297.21) 284.67,297.8 284.5,297.97 283.18,298.12 276.34,298.09 275.26,297.49 274.62,296.61 274.36,295.89 UH4.11 ; v1(213.48,399.44) 212.76,399.8 211.68,400.18 207.9,400.16 205.3,400.07 188.96,400.04 187.36,400.22 186.8,400.27 184.87,400.37 183.46,400.5 182.3,400.51 180.85,400.55 179.34,400.36 177.76,399.88 ; v1(211.77,338.31) 208.61,339.19 205.7,340.13 199.89,340.78 198.88,340.87 196.42,340.87 194.38,340.94 192.59,340.94 191.86,340.95 189.85,340.86 188.17,340.72 183.72,339.96 180.57,339.39 175.16,338.77 170.19,338.55 168.09,338.41 165.98,338.18 164.08,338.13 162.83,338.02 161.06,337.71 159.19,337.53 158.53,337.43 157.86,337.29 156.97,337.29 ; v1(153.3,244.08) 156.38,243.94 159.12,244.13 165.36,244.48 166.15,244.52 170.14,244.66 171,244.66 172.24,244.7 182.09,245.17 183.8,245.21 190.13,245.36 191.35,245.25 192.92,245.03 195.76,244.6 197.18,244.22 199.91,244.04 202.03,244.32 v1(202.45,244.79) 202.62,244.62 210.3,244.62 210.91,244.58 211.5,244.82 v1(212.05,244.82) 212.78,244.96 214.34,245.53 215.86,246.07 218.87,246.95 220.13,247.22 223.46,247.51 225.63,247.61 231.28,247.61 231.32,247.65 237,247.73 239.29,247.74 243.43,247.83 245.91,247.85 247.88,247.98 248.7,248.16 250.55,248.63 253.66,249.95 255.78,250.76 258.42,251.97 260.12,252.85 261.48,253.21 262.38,253.48 263.2,253.7 v1(263.91,253.43) 264.38,253.74 264.66,253.82 265.53,253.94 268.52,253.55 268.95,253.44 271.77,252.95 273.17,252.6 276.1,251.96 279.1,251.21 280.74,250.93 281.24,250.57 v1(281.48,250.33) ; v1(281.65,268.24) 283.22,268.13 284.88,267.84 286.54,267.56 288.89,267 292.1,266.99 292.94,267.04
J2p9: length 248.7
  Top w0.15: v1(249.01,264.44) 248.77,249.01 248.65,246.21 248.59,231.75 248.65,215 248.43,193.63 v1(248.96,170.49)
  Bottom w0.2: v1(248.96,170.49) 248.96,170.37 247.35,169.12 246.31,168.67 245.5,168.28 242.99,168.42 UP3.9 ; v1(249.01,264.44) 248.25,264.63 247.35,264.43 246.9,264.35 245.87,263.92 244.1,263.39 240.05,262.37 239.58,262.28 239.16,262.26 234.83,261.88 233.51,261.71 232.05,261.66 228.19,261.76 226.8,262.2 224.85,263.2 223.67,263.8 222.59,264.51 219.32,266.44 217.64,267.53 215.33,268.84 213.73,269.78 210.54,271.25 206.81,272.39 204.9,272.79 201.56,273.83 200.06,274.76 ; UJ2.9 200.81,275.39 199.03,273.89 196.49,273.37 195.45,273.28 193.78,273.28 ; 193.78,273.28 190.98,273.82 190.11,273.87 188.85,274.04 185.1,273.87 181.44,273.54 179.5,273.4 178.84,273.45 175.66,273.59 174.62,273.65 173.38,273.69 171.42,273.75 166.5,274.16 164.85,274.23 162.3,274.41 155.29,274.97 153.53,275.06 147.27,275.22 145.25,275.29 142.33,275.34 141.44,275.34 136.21,275.46 131.23,274.67 124.29,274.65 121.7,274.6 120.65,274.57 118.09,275.2 115.98,276.78 UJ0.12 ; 193.78,273.28 193.78,272.15 UJ2.3
J2p10: length 101.6
  Top w0.15: v1(201.89,275.18) 201.82,275.25 201.82,275.28 ; v1(201.89,275.18) 201.82,275.11 201.82,275.08 ; v1(201.89,275.18) 201,275.79 200.01,276.44 199.39,276.82 UJ2.10
  Bottom w0.15: 292.84,266.11 292.12,266.08 291.41,266.03 287.08,266.13 285.8,266.32 282.25,266.75 280.04,267.82 279.21,268.27 276.99,269.34 275,269.71 273.73,269.96 272.18,270.13 270.32,270.29 268.58,270.4 267.61,270.41 264.66,270.52 260.03,270.37 259.7,270.38 258.23,270.25 256.53,270 255.3,269.66 253.05,269.22 251.17,268.62 250.2,268.1 248.79,267.28 248.15,266.86 247.19,266.24 245.39,265.22 244.77,264.9 244.16,264.5 242.07,263.88 240.36,263.56 236.29,263.09 235.5,263.01 231.82,262.67 229.38,262.77 227.87,263.04 226.62,263.51 224.76,264.5 224.2,264.84 223.43,265.46 222.22,266.23 219.75,267.94 217.46,269.64 216.59,270.18 215.39,271.13 214.51,271.63 213.26,272.54 212.48,273.02 211.09,273.9 210.29,274.36 209.23,274.94 208.02,275.4 207.65,275.51 203.28,275.5 202.69,275.39 v1(201.89,275.18)
J2p11: length 104.1
  Top w0.15: 196.18,284.78 v1(196.2,284.87) 196.32,282.56 196.42,278.4 UJ2.11
  Bottom w0.15: 292.79,277.41 292.69,277.5 292.05,277.5 290.75,277.81 290.17,277.99 288.76,278.27 286.63,278.59 284.89,278.93 281.18,279.3 276.91,279.44 270.57,279.59 270.53,279.55 268.17,279.69 266.71,279.8 262.62,280.18 261.02,280.46 258.79,280.66 256.97,280.7 252.25,281.06 251.43,281.21 248.42,281.51 247.68,281.6 246.42,281.67 243.76,281.88 241.63,281.96 239.94,281.97 237.59,281.84 236.5,282.04 232.52,282.57 230.31,283.04 229.37,283.19 223.28,283.39 214.69,283.24 212.56,283.35 210.36,283.43 209.33,283.5 205.09,284.06 203.46,284.42 199.2,284.68 198.05,284.7 197.32,284.68 v1(196.2,284.87)
J2p13: length 109.4
  Top w0.15: UJ2.13 v1(191.05,284.75) 191.12,284.78 191.16,284.81
  Bottom w0.15: 293,276.17 292.08,276.31 289.98,276.64 288.64,276.84 286.81,277.08 286.01,277.27 282.59,277.49 281.52,277.55 277.81,277.76 277.05,277.76 276.05,277.81 274.7,277.9 273.54,277.95 269.98,278.22 268.19,278.27 263.8,278.7 262.28,278.82 258.98,279.17 257.31,279.37 252.79,279.71 250.91,279.94 246.24,280.52 245.4,280.71 243.97,280.82 242.12,280.9 241.05,280.85 239.65,280.88 237.38,280.91 236.48,280.93 233.7,281.31 232.43,281.39 230.77,281.56 229.23,281.71 228.53,281.79 227.49,281.84 227.02,281.83 214.81,281.86 213.59,281.94 211.22,282.23 208.73,282.39 205.75,282.73 204.57,282.95 202.77,282.95 202.76,282.94 199.84,282.85 199.24,282.85 197.68,282.79 196.3,282.88 195.49,282.98 194.6,283.17 193.22,283.74 192.6,284.15 192.24,284.36 v1(191.05,284.75)
J3p1: length 69.1
  Bottom w0.15: UJ3.1 229.83,268.52 230.07,267.63 231.08,265.89 232.74,265.2 236,265.56 237.89,265.7 241.33,266.12 243.54,266.45 245.25,267.39 247.31,269.01 248.65,269.9 250.44,270.9 251.9,271.45 253.33,271.82 256.1,272.18 257.07,272.37 260.9,272.8 262.67,273.04 266.62,273.25 271.6,272.94 272.99,272.73 275.37,272.43 276.89,272.23 278.73,271.9 282.13,271.3 284.01,270.78 285.61,270.36 286.47,270.06 288.24,269.51 290.29,269.26 293,269.44
J3p3: length 75.1
  Top w0.15: UF3.14 233.63,330.8 232.79,330.27 232.12,329.94 231.39,329.49 230.74,328.88 230.34,327.92 230.22,327.21 230.15,318.78 230.88,317.38 231.35,316.53 UG3.13 230.97,313.29 230.84,312.89 230.64,312.47 230.35,311.24 229.81,309.52 UG3.1 229.55,306.26 229.73,305.87 230.05,305.27 230.24,304.06 230.32,303.03 230.32,289.3 ; 230.32,289.43 230.25,277.06 230.39,276.73 230.42,275.93 230.61,275.35 231.24,274.37 232.56,272.82 233.48,271.83 UJ3.3
  Bottom w0.15: UG3.13 231.95,314.27 232.53,313.82 233,313.68 233.91,313.29 235.27,313.29 236.56,313.33 ; UG3.10 238.72,314.81 238.82,313.99 237.99,313.44 237.77,313.36 236.44,313.33
J3p4: length 169.3
  Top w0.15: 253.68,342.9 253.68,343.29 253.73,342.49 254.21,338.72 254.42,337.14 254.45,336.71 254.63,334.6 254.52,333.14 254.54,331.9 254.57,329.17 254.18,324.96 253.89,322.13 253.8,320.42 253.38,313.94 252.95,309.83 252.58,306.38 252.55,305.19 252.36,301.42 252.35,298.51 252.32,290.34 252.33,286.65 252.45,282.92 252.51,282.53 252.72,280.44 253.2,277.23 253.42,276.46 253.52,276.46 v1(254.06,275.92) ; UE4.11 269.3,349.07 268.86,349.51 268.86,353.28 v1(268.95,353.28) 268.95,353.37 269.03,353.45 ; v1(253.96,363.85) 254.03,362.96 254.16,362.28 254.16,353.5 v1(254.21,353.45) 253.85,352.2 253.62,350.96 253.49,347.21 253.42,346.06 253.47,345.15 253.69,343.18
  Bottom w0.15: v1(253.96,363.85) 255.13,363.85 257.38,363.59 260.97,363.31 262.32,363.21 279.93,363.26 282.04,363.34 291.53,363.52 292.87,363.56
  Bottom w0.2: UJ3.4 237.16,272.12 237.71,273.19 238.3,274.45 238.96,274.92 240.09,275.32 244.95,275.51 246.79,275.55 248.99,275.59 251.21,275.76 252.56,275.8 252.95,275.8 ; v1(254.06,275.92) 253.38,275.85 252.69,275.8 ; v1(268.95,353.28) 268.95,353.46 268.62,353.79 267.94,353.7 266.98,353.8 265.23,353.73 258.39,353.49 256.57,353.49 v1(254.21,353.45)
J3p5: length 129.1
  Top w0.15: v1(290.38,271.66) 289.92,272.11 289.82,276.18 289.78,276.94 289.85,278.38 289.86,281.65 289.97,283.14 290.06,283.92 290.2,285.11 290.76,287.99 291.05,289.98 291.49,294.9 291.61,296.27 291.86,299.3 291.87,303.04 291.99,303.92 291.79,305.02 291.04,307.76 290.48,309.76 290.48,310.21 289.88,311.5 289.68,316.29 289.77,319.08 289.75,320.82 289.83,340.25 289.91,342.44 v1(290.26,343.28)
  Bottom w0.2: UJ3.5 239.72,272.17 ; 239.7,272.12 240.1,272.9 240.85,273.49 241.73,273.89 242.52,274.08 247.37,274.09 249.21,274.1 253.22,274.1 255.04,274.27 257.79,275.05 260.19,275.77 263.5,276.04 273.39,275.69 276.29,275.44 281.96,274.78 287.13,273.42 287.79,273.16 288.81,272.78 ; v1(290.26,343.28) 292.44,343.28 292.63,343.47 ; 288.76,272.81 289.6,272.45 v1(290.38,271.66)
  vias: v1(290.38,310.15)
J3p6: length 53.4
  Bottom w0.2: 292.83,270.4 291.68,270.31 290.29,270.27 288.76,270.63 287.43,270.95 284.72,272.26 282.29,272.8 281.4,272.92 272.33,274.13 270.37,274.31 267.4,274.52 262.23,274.17 261.25,274.06 256.89,273.42 255.04,273.12 249.3,272.85 245.74,273.03 243.27,272.8 242.04,272.37 241.79,271.68 UJ3.6
J3p8: length 69.8
  Top w0.15: 243.63,260.62 v1(243.71,260.7) 243.51,261.45 243.15,264.2 243,265.41 242.91,269.23 242.94,269.25 242.91,269.28 242.92,274.61 243.43,276.25 243.71,277 UJ3.8
  Bottom w0.15: v1(243.71,260.7) 244.34,260.7 244.56,260.74 244.89,260.85 246.15,261.11 247.59,261.3 249.98,261.88 251.14,262.47 252.13,263.12 254.66,265.21 255.72,265.96 257.11,266.99 259.28,267.99 260.27,268.13 261.62,268.07 263.15,268.12 268.97,267.98 270.6,267.98 273.58,267.64 275.58,267.08 277.43,266.45 279.9,265.28 281.83,264.58 282.82,264.23 284.81,264.06 292.45,263.86 292.93,263.85
J3p11: length 46.9
  Top w0.15: UJ3.11 237.25,276.9 237.75,275.65 237.9,273.86 237.89,272.87 237.96,268.64 237.93,268.7 237.84,262.4 237.73,259.8 237.7,255.11 237.68,252.34 237.67,250.86 237.67,247.32 235.85,241.67 235.51,238.62 235.34,235.9 236.75,233.79 237.09,233.56 237.54,233.06 237.64,232.95 v1(237.74,232.95) 237.74,232.85 237.8,232.79
J3p12: length 59.8
  Bottom w0.15: 292.79,273.04 291.68,273.34 290.82,273.72 288.86,274.47 286.42,275.14 285.01,275.6 281.37,276.18 279.49,276.35 277.48,276.52 276.29,276.61 271.51,276.88 269.1,277.05 262.09,277.51 260.47,277.58 255.25,277.9 253.08,278.04 252.01,277.99 249.54,277.86 244.11,276.67 240.91,276.52 239.94,276.47 238.32,276.48 237.1,276.52 236.14,276.62 235.55,276.75 UJ3.12
J7p6: length 5.1
  Top w0.15: UJ7.6 392.05,269.72 391.94,268.7 391.52,267.87 391.46,267.49 391.21,266.67 C47.2
K0p1: length 11
  Top w0.25: UK0.1 115.39,250.28 C57.1
  Bottom w0.2: R57.2 111.92,249.85 UK0.1
K0p3: length 178.4
  Bottom w0.2: 270.67,262.09 270.64,262.06 ; UK0.3 120.41,250.46 121.51,249.63 122.41,248.98 123.75,248.9 124.63,248.87 126.23,248.95 127.56,248.94 130.53,248.96 132.16,249.44 133.84,250.48 136.27,253.22 137.42,254.04 138.14,254.57 139.5,255.56 141.61,256.13 143.75,256.35 153.16,256.38 163.67,256.37 181.52,256.27 212.87,256.28 216.67,256.09 217.46,256.07 220.21,255.67 221.2,255.51 225.88,255.18 227.47,255.04 245.18,254.73 247.02,254.88 248.36,255.24 250.97,256.36 253.23,257.65 255.58,258.67 259.06,260.6 261.22,261.3 263.94,262.06 269.08,262.09 ; 292.8,258.02 288.78,258.09 285.48,258.07 281.96,258.52 279.55,259.11 277.71,260.1 272.53,261.84 269.9,262.06 269.2,262.06
K0p5: length 24.1
  Top w0.25: UK0.5 124.98,248.19 C64.1
  Bottom w0.2: R76.2 112.62,254.17 114,254.63 115.59,255.11 122.29,255.32 123.82,255.08 124.74,254.18 125.28,253.1 UK0.5
K0p6: length 169.3
  Bottom w0.2: UK0.6 128.89,252.94 130.23,254.06 132.78,255.43 135.49,256.48 138.12,257.48 142.22,257.55 145.78,257.55 177.09,257.55 210.47,257.75 225.6,256.19 232.65,255.98 239.81,255.83 242.02,255.82 244.26,255.89 247.18,256.22 249.53,257.05 250.92,257.68 253.1,258.92 256.19,260.46 257.32,261.04 262.01,263.03 265.9,263.36 267.97,263.38 271.93,263.17 274.62,262.29 275.81,261.78 277.56,261.18 278.77,260.71 281.22,259.99 283.74,259.31 286.35,259.17 290.66,259.33 292.84,259.33
K0p8: length 165.3
  Bottom w0.2: 292.94,260.35 284.53,260.32 283,260.54 281.22,261.02 279.18,261.78 276.62,262.77 275.54,263.36 272.67,264.34 268.69,264.59 266.49,264.61 264.89,264.59 261.49,264.23 258.78,263.2 257.34,262.55 255.04,261.22 252.75,259.92 251.93,259.43 251.15,259.11 249.48,258.13 247.65,257.35 245.52,256.88 227.6,257.17 220.63,257.94 218.28,258.14 212.23,258.77 209.56,258.92 208.59,258.93 198.47,258.82 158.46,258.76 156.31,258.82 140.9,258.99 137.14,259.05 130.69,259.3 UK0.8
K0p10: length 20.1
  Top w0.25: UK0.10 125.55,259.25 125.55,260.37 125.48,261.55 C72.1
  Bottom w0.15: UK0.10 125.07,258.2 124.53,257.56 123.8,257.47 123.35,257.43 117.31,257.32 115.79,257.25 114.98,257.2 113.52,257.12 R4.2
K0p11: length 174.3
  Bottom w0.2: 292.78,261.71 288.21,261.67 281.9,262.01 278.56,263.39 276.01,264.55 275.01,264.89 272.81,265.53 271.87,265.72 266.98,265.72 266.96,265.73 262.54,265.5 259.49,264.87 257.94,264.29 255.82,263.08 253.51,261.45 250.09,259.68 247.5,258.57 245.55,257.97 242.42,257.9 241.08,258.11 235.2,258.31 233.04,258.21 225.35,258.39 223.53,258.65 216.63,259.4 213.11,259.8 211.31,259.95 210.85,259.92 199.79,259.85 199.13,259.81 199.1,259.84 189.75,259.94 189.07,259.96 182.02,259.96 181.97,259.92 169.47,259.9 168.99,259.87 168.2,259.9 163.35,259.93 161.08,259.93 153.97,260.06 149.33,260.08 148.06,260.07 146.74,260.07 143.04,260.51 141.19,260.59 138.82,260.89 137.19,261.09 133.87,261.36 132.61,261.55 124.98,261.65 123.63,260.82 123.2,260.22 122.94,260.09 UK0.11
